# KiCad board ts52k.kicad_pcb (continued)
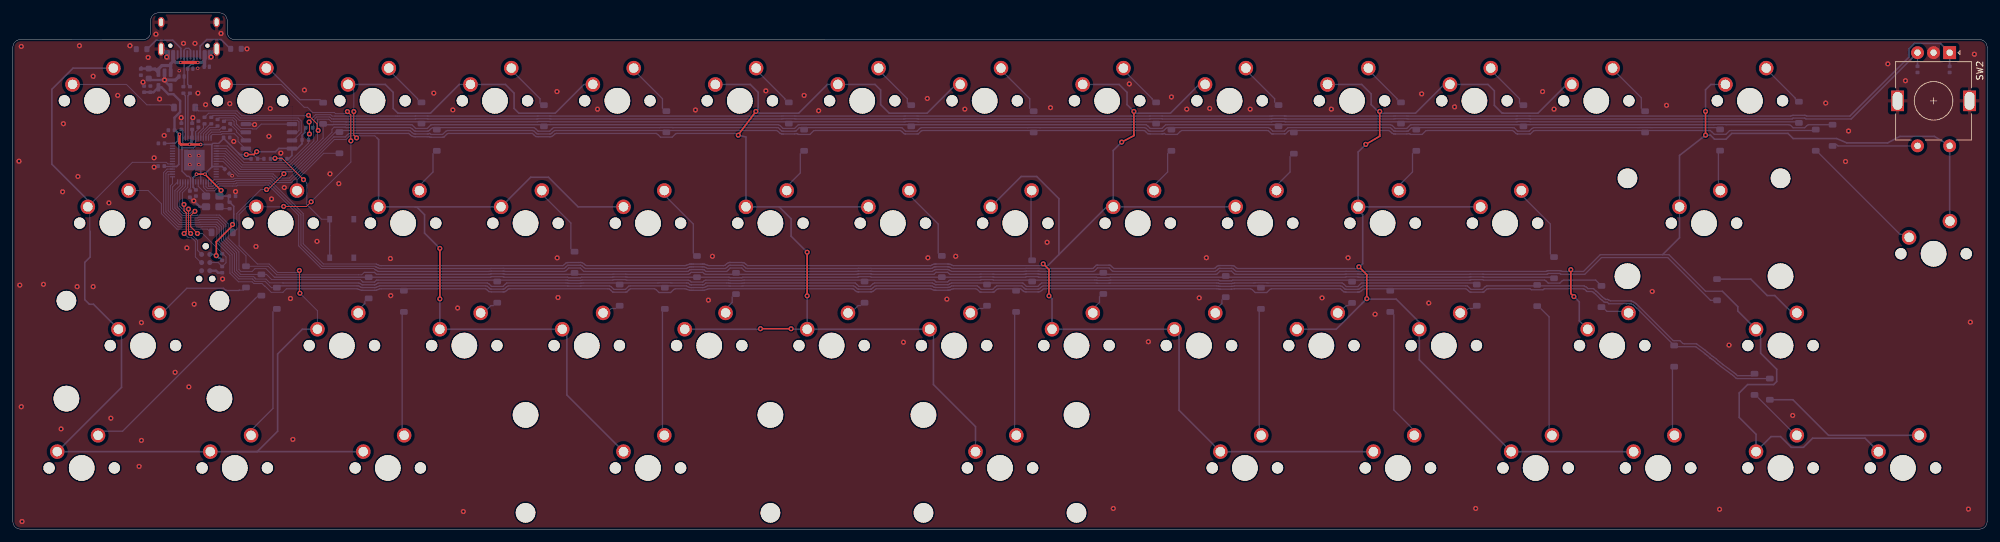
[diagram p0: board, top side]
## Routing (per net, layer and track width the routed paths; a pad name or vN(x,y) marks a point on that pad's centre or on a via; arc(x,y) is an arc through that point) (continued)
/rp2040/QSPI_SCLK: length 16.7
  Bottom w0.15: U4.6 44.24,61.77 44.52,62.05 44.52,63.39 44.27,63.64 35.22,63.64 34.5,64.37 31.14,64.37 R9.1
/rp2040/QSPI_SD0: length 13
  Bottom w0.15: R10.1 32.1,64.02 34.34,64.02 34.77,63.59 34.77,63.07 34.87,62.97 35.47,62.37 37.24,62.37 37.32,62.29 37.89,62.29 38.64,63.04 U4.5
/rp2040/QSPI_SD1: length 3.8
  Bottom w0.15: U4.2 36.14,60.5 34.81,61.83 34.81,62.03 34,62.84 33.9,62.84 33.82,62.92 R11.1
/rp2040/QSPI_SD2: length 4.6
  Bottom w0.15: 32.84,63.41 33.11,63.68 34.19,63.68 34.42,63.44 34.42,62.92 35.57,61.77 U4.3
/rp2040/QSPI_SD3: length 19.6
  Bottom w0.15: R13.1 30.46,64.74 34.65,64.74 35.4,63.99 44.41,63.99 44.87,63.53 44.87,61.74 43.63,60.5 U4.7
col1: length 242.9
  Top w0.15: v1(44.67,36.71) 44.57,36.81 v1(44.57,40.26) ; v1(46.41,50.95) 45.69,50.23 v1(42.13,50.23) ; v1(52.59,60.44) 52.59,64.45 v1(52.05,64.99)
  Bottom w0.15: v1(44.57,40.26) 44.25,39.94 41.19,39.94 39.86,41.27 38.04,41.27 35.2,44.11 35.2,48.99 36.46,50.24 37.78,50.24 MX8.1 42.07,50.17 v1(42.13,50.23) ; MX13.1 47.39,34 v1(44.67,36.71) ; MX3.1 18.6,57.09 23.87,57.09 24.12,56.84 U5.34 ; v1(46.41,50.95) 52.59,57.14 v1(52.59,60.44) ; 32.67,69.22 MX7.1 41.77,69.22 45.33,65.66 45.85,65.66 46.65,64.85 46.65,64.86 50.02,64.86 50.21,64.67 51.73,64.67 v1(52.05,64.99) ; 11.97,49.09 11.97,46.49
  Bottom w0.25: 16.91,30.64 16.91,22.07 MX5.1 MX9.1 34.93,12.07 ; MX4.1 12.54,35 11.91,35 11.19,35.72 11.19,41.52 12.03,42.35 12.03,46.38 ; MX13.1 45.05,31.12 41.2,27.27 41.2,15.24 38.02,12.07 34.93,12.07 ; 34.93,12.07 MX14.1 ; MX3.1 11.67,51.2 6.07,56.79 6.07,68.46 9.37,71.76 15.64,71.76
col2: length 202.3
  Top w0.15: v1(53.05,64.99) 53.05,61.33 v1(53.48,60.89)
  Top w0.25: v1(66.44,35.84) v1(66.44,43.7)
  Bottom w0.15: MX11.1 53.05,68.31 v1(53.05,64.99) ; 56.67,60.87 56.32,61.22 52.46,61.22 52.34,61.14 51.85,60.64 50.02,60.64 43.32,53.94 40.86,53.94 40.21,54.59 34.48,54.59 34.34,54.45 31.38,54.45 31.12,54.19 30.99,54.19 U5.15
  Bottom w0.25: MX11.1 57.94,69.22 59.17,67.98 59.17,65.48 59.91,64.74 64.98,64.74 69.45,69.22 MX16.1 76.64,69.22 77.99,67.87 77.99,65.48 78.73,64.74 84.39,64.74 88.86,69.22 MX20.1 ; v1(66.44,43.7) 64.06,46.08 64.06,48.93 62.83,50.17 62.59,50.17 ; 56.67,60.87 56.91,60.63 MX12.1 62.59,50.17 ; MX23.1 86.2,20.88 86.2,30.4 85.49,31.12 MX18.1 66.44,35.84 v1(66.44,35.84) ; 62.59,50.17 MX17.1 80.57,54.77 83.34,54.77 87.95,50.17 MX21.1
col3: length 251
  Top w0.25: v1(123.59,36.31) v1(123.59,43.1) ; v1(116.32,31.19) v1(121.09,31.19) ; v1(115.61,65.02) 112.87,61.38 v1(112.87,61.32)
  Bottom w0.15: 49.97,61.05 49.93,61.05 43.17,54.29 41,54.29 40.35,54.94 35,54.94 32.7,57.24 U5.8
  Bottom w0.2: v1(112.87,61.32) 112.6,61.59 112.35,61.59 103.35,61.59 103.1,61.52 102.58,61.01 100.77,61.01 100.35,61.43 100.1,61.59 84.6,61.59 84.35,61.53 84.1,61.28 83.85,61.12 83.73,61.09 83.6,61.08 83.53,61.08 81.72,61.08 81.53,61.1 81.35,61.11 81.1,61.34 80.85,61.59 80.6,61.59 67.85,61.59 67.6,61.56 67.1,61.06 67.06,61.03 66.87,61 65.1,61 65.06,60.98 64.86,61.05 64.85,61.05 64.68,61.1 64.6,61.09 64.48,61.08 62.67,61.08 62.6,61.08 62.48,61.09 62.35,61.1 62.1,61.19 61.85,61.37 61.6,61.59 56.85,61.59 56.67,61.6 56.6,61.6 56.35,61.59 52.35,61.59 52.1,61.43 51.72,61.05 49.97,61.05
  Bottom w0.25: 146.73,69.22 142.25,64.74 136.35,64.74 135.02,66.08 135.02,68.34 134.14,69.22 MX29.1 126.74,69.22 122.27,64.74 116.11,64.74 115.84,65.02 v1(115.61,65.02) 115.97,65.38 115.97,67.98 114.74,69.22 MX25.1 ; MX35.1 MX31.1 ; MX31.1 v1(123.59,36.31) ; MX31.1 121.17,31.12 v1(121.09,31.19) ; 119.22,50.17 121.09,48.3 121.09,45.6 v1(123.59,43.1) ; 119.22,50.17 MX30.1 ; 119.22,50.17 114.06,50.17 ; v1(116.32,31.19) 116.25,31.12 MX27.1 ; MX60.1 149.78,15.95 143.23,22.5 143.23,30.36 ; MX26.1 114.06,61.03 v1(112.87,61.32)
col4: length 312.3
  Top w0.25: v1(160.32,41.29) 161.21,40.4 v1(161.21,36.31) ; v1(174.43,65.02) 174.43,61.25 v1(172.52,60.25)
  Bottom w0.15: U5.16 30.44,53.39 30.47,53.36 31.09,53.36 31.83,54.1 34.48,54.1 34.62,54.24 40.06,54.24 45.17,49.13 45.17,44.41 48.32,41.27 56.53,41.27 56.57,41.23
  Bottom w0.2: 56.57,41.23 56.82,41.14 57.07,41.02 57.32,41.01 85.57,41.01 85.82,41.19 86.07,41.44 86.29,41.5 86.32,41.48 86.49,41.5 88.07,41.5 88.3,41.51 88.32,41.52 88.49,41.5 88.57,41.47 88.82,41.33 89.07,41.08 89.32,41.01 104.57,41.01 104.82,41.08 105.32,41.27 105.34,41.25 105.54,41.27 105.57,41.26 105.82,41.26 105.84,41.26 107.07,41.26 107.32,41.26 107.35,41.27 107.54,41.25 107.57,41.26 108.07,41.07 108.32,41.01 110.57,41.01 110.82,41.07 111.07,41.32 111.32,41.47 111.41,41.48 111.57,41.54 111.61,41.5 113.42,41.5 113.57,41.48 113.61,41.49 113.82,41.43 114.07,41.21 114.32,41.01 142.82,41.01 143.07,41.16 143.32,41.26 143.44,41.26 143.57,41.27 143.64,41.27 145.45,41.27 145.57,41.26 145.64,41.25 145.82,41.23 146.07,41.12 146.32,41.01 161.03,41.01
  Bottom w0.25: MX34.1 156.88,54.89 159.31,54.89 162.76,51.44 162.76,42.74 ; 161.03,41.01 162.76,42.74 ; 162.76,42.74 170.18,50.17 MX38.1 ; 184.59,69.22 180.12,64.74 174.69,64.74 ; v1(174.43,65.02) 174.69,64.75 174.69,64.74 ; MX43.1 MX38.1 ; MX38.1 171.21,58.94 v1(172.52,60.25) ; 174.69,64.74 173.36,66.08 173.36,67.98 172.13,69.22 MX37.1 ; 160.05,41.01 v1(160.32,41.29) ; v1(161.21,36.31) 161.69,35.84 MX39.1 MX44.1 181.45,30.4 181.45,18.49 MX81.1 MX82.1
col5: length 356.4
  Top w0.25: v1(210.66,35.87) 210.66,39.61 v1(209.43,40.84) ; v1(212.67,65.02) 212.67,61.35 ; 212.67,61.35 212.67,61.16 v1(210.5,59.89) ; 212.67,61.35 212.65,61.32
  Bottom w0.15: 56.46,40.82 56.36,40.92 48.13,40.92 44.82,44.23 44.82,48.99 39.92,53.89 34.82,53.89 34.68,53.75 31.98,53.75 31.24,53.01 30.32,53.01 30.04,53.29 U5.17
  Bottom w0.2: 209.28,40.56 190.57,40.56 190.32,40.68 190.07,40.93 189.82,41.02 189.81,41.01 189.62,41.02 189.57,41.02 187.82,41.02 187.81,41.03 187.61,41 187.57,41.03 187.32,40.89 187.07,40.64 186.82,40.56 171.32,40.56 171.07,40.77 170.82,41.02 170.76,41.07 170.57,41.09 170.57,41.09 168.82,41.09 168.76,41.09 168.57,41.07 168.56,41.07 168.32,40.83 168.07,40.58 167.82,40.56 160.57,40.56 160.32,40.56 160.07,40.56 159.69,40.56 159.57,40.58 159.5,40.58 157.69,40.58 157.57,40.57 157.49,40.56 146.32,40.56 146.07,40.59 145.82,40.76 145.64,40.82 145.57,40.83 145.45,40.84 143.64,40.84 143.57,40.84 143.44,40.83 143.32,40.8 143.07,40.62 142.82,40.56 133.62,40.56 133.57,40.57 133.42,40.58 131.61,40.58 131.57,40.58 131.42,40.56 114.32,40.56 114.07,40.61 113.82,40.86 113.61,41.04 113.57,41.05 113.42,41.07 111.61,41.07 111.57,41.08 111.41,41.02 111.32,40.96 111.07,40.71 110.82,40.56 108.07,40.56 107.82,40.71 107.54,40.82 107.35,40.84 107.32,40.83 107.07,40.83 105.84,40.83 105.82,40.83 105.57,40.83 105.54,40.84 105.34,40.82 105.32,40.81 105.07,40.72 104.82,40.56 89.07,40.56 88.82,40.72 88.57,40.97 88.49,41.02 88.32,41.09 88.3,41.07 86.49,41.07 86.32,41.05 86.29,41.05 86.07,40.83 85.82,40.58 85.57,40.56 76.47,40.56 76.32,40.58 76.27,40.58 74.46,40.58 74.32,40.57 74.27,40.56 57.07,40.56 56.82,40.66 56.57,40.78 56.46,40.82
  Bottom w0.25: MX48.1 205.9,31.12 209.91,35.12 ; MX56.1 MX47.1 209.31,58.7 v1(210.5,59.89) ; MX51.1 229.51,69.22 230.51,68.22 230.51,65.96 231.7,64.77 231.82,64.77 231.84,64.74 237.29,64.74 241.76,69.22 ; MX52.1 218.84,32.2 215.24,35.8 210.74,35.8 v1(210.66,35.87) 209.91,35.12 ; 209.28,40.56 210.03,41.31 210.03,48.93 209.31,49.65 ; MX46.1 209.87,69.22 211.34,67.75 211.34,66.08 212.67,64.74 ; 212.67,64.74 v1(212.67,65.02) ; 212.67,64.74 218.24,64.74 222.71,69.22 ; 209.91,35.12 210.58,35.8 ; 218.84,30.94 218.84,26.35 MX58.1 MX61.1 ; 209.16,40.56 v1(209.43,40.84)
col6: length 402.3
  Top w0.25: v1(242.4,40.39) 242.4,36.68 v1(242.89,36.2) ; v1(263.37,65.02) v1(263.37,61.32)
  Bottom w0.15: U5.18 29.64,53.37 29.69,53.32 29.69,53.15 30.18,52.66 31.38,52.66 32.12,53.4 34.83,53.4 34.97,53.54 39.77,53.54 44.47,48.84 44.47,44.09 47.99,40.57 56.15,40.57 56.32,40.4
  Bottom w0.2: 56.32,40.4 56.46,40.35 56.57,40.27 56.82,40.11 74.07,40.11 74.27,40.13 74.46,40.15 76.27,40.15 76.32,40.15 76.47,40.13 76.57,40.11 85.82,40.11 86.07,40.23 86.49,40.64 88.3,40.64 88.82,40.12 89.07,40.11 104.82,40.11 105.07,40.12 105.32,40.36 105.34,40.36 105.54,40.41 105.57,40.4 107.32,40.4 107.35,40.41 107.54,40.36 107.57,40.35 107.82,40.11 111.07,40.11 111.32,40.35 111.61,40.64 113.42,40.64 113.82,40.24 114.07,40.11 131.07,40.11 131.32,40.12 131.42,40.13 131.57,40.15 131.61,40.15 133.42,40.15 133.62,40.13 133.82,40.11 143.07,40.11 143.32,40.28 143.44,40.36 143.57,40.41 143.64,40.41 145.45,40.41 145.57,40.4 145.64,40.36 145.82,40.23 146.07,40.11 157.32,40.11 157.49,40.13 157.69,40.15 159.5,40.15 159.57,40.15 159.69,40.13 159.82,40.11 168.07,40.11 168.32,40.22 168.76,40.66 170.57,40.66 171.07,40.16 171.32,40.11 187.07,40.11 187.32,40.28 187.57,40.53 187.61,40.56 187.81,40.6 187.82,40.59 189.57,40.59 189.62,40.59 189.81,40.57 189.82,40.57 190.07,40.32 190.32,40.11 207.32,40.11 207.46,40.12 209.27,40.12 209.28,40.12 209.32,40.11 209.47,40.11 209.57,40.11 238.57,40.11 238.69,40.18 238.82,40.23 238.89,40.23 240.7,40.23 240.82,40.22 240.89,40.18 241.07,40.11 244.39,40.11 246.99,42.72 257.68,42.72 263.37,37.03 265.99,37.03
  Bottom w0.25: MX75.1 243.72,32.42 243.72,35.36 v1(242.89,36.2) ; v1(263.37,65.02) 263.37,68.39 264.2,69.22 MX64.1 ; 301.35,47.98 SW2.S2 298.98,61.13 293.61,61.13 291.69,60.12 285.35,60.12 283.76,60.8 276.99,60.8 276.2,61.59 267.45,61.59 266.55,60.7 264.75,60.7 264.13,61.32 v1(263.37,61.32) 259.32,58.17 MX65.1 259.32,45.36 256.68,42.72 ; 265.99,37.03 268.39,34.63 268.39,33.95 MX66.1 271.94,30.4 271.94,27.38 274.44,24.88 274.44,22.98 273.96,22.5 269.92,22.5 268.61,21.19 268.61,17.38 271.22,14.76 MX67.1 273.57,14.41 275.04,14.41 276.7,12.74 278.61,12.74 280.02,14.16 288.18,14.16 MX71.1 ; 242.4,40.11 v1(242.4,40.39)
D+: length 8.7
  Bottom w0.2: 27.2,71.67 27.2,71.51 27.2,71.69 ; R8.1 27.2,69.22 D90.1 ; J1.A6 27.14,72.84 27.2,72.79 27.88,72.79 28.14,73.05 J1.B6 28.14,72.42 28.05,72.32 27.7,72.32 27.27,71.9 27.27,71.85
D-: length 7.7
  Bottom w0.2: 26.63,70.61 26.64,70.62 J1.B7 26.64,74.57 26.91,74.84 27.38,74.84 27.64,74.57 J1.A7 ; 26.63,68.87 26.53,68.77 ; R7.1 26.65,68.99 D89.1
QSPI_SS_N: length 10.8
  Bottom w0.15: R14.1 R2.2 36.49,59.23 U4.1 36.16,59.23 35.22,60.17 35.22,60.2 35.05,60.37 35.05,60.97 34.48,61.54 32.55,61.54 32.45,61.44 31.07,61.44 30.84,61.21 U5.56 ; 35.55,59.24 35.64,59.24
row1: length 274.9
  Top w0.15: v1(46,64.41) 47.34,63.07 47.34,62.23 v1(47.51,62.06)
  Bottom w0.15: D2.1 28.9,65.09 34.87,65.09 35.62,64.34 45.27,64.34 45.93,64.34 v1(46,64.41) ; U5.4 33.08,58.84 35.58,56.34 43.24,56.34 47.4,60.5 47.4,63.81 49.15,63.81 49.54,63.41 49.91,63.41 ; 28.17,65.64 28.42,65.39
  Bottom w0.2: D63.1 277.85,63.27 277.6,63.39 236.1,63.39 235.94,63.44 234.13,63.44 234.1,63.42 233.93,63.39 216.35,63.39 216.1,63.24 D46.1 215.85,63.25 215.6,63.39 198.03,63.39 197.85,63.44 197.84,63.46 196.03,63.46 195.85,63.39 178.35,63.39 178.1,63.34 D37.1 177.85,63.15 177.6,63.39 140.85,63.39 140.68,63.44 138.87,63.44 138.85,63.42 138.68,63.39 121.1,63.39 120.85,63.24 D25.1 120.6,63.25 120.35,63.39 83.6,63.39 83.53,63.44 81.72,63.44 81.6,63.39 64.1,63.39 63.85,63.39 D11.1 63.35,63.35 63.1,63.39 51.92,63.39 51.85,63.4 51.72,63.41 49.91,63.41
row2: length 257.2
  Top w0.15: v1(39.47,52.87) 39.72,52.87 v1(42.17,55.32)
  Bottom w0.15: 43.53,55.64 49.65,61.76 49.65,62.24 49.97,62.55 ; 43.53,55.64 35.29,55.64 32.89,58.04 U5.6 ; 43.53,55.64 42.5,55.64 v1(42.17,55.32) ; v1(39.47,52.87) 38.59,52.87 34.85,49.13 34.85,46.67 34.22,46.04
  Bottom w0.2: D64.1 265.35,62.49 265.1,62.49 255.06,62.49 254.87,62.5 253.06,62.5 252.86,62.49 236.6,62.49 236.35,62.35 235.94,61.94 234.13,61.94 233.6,62.46 233.35,62.49 218.85,62.49 218.6,62.43 D47.1 218.1,62.45 217.85,62.49 217.76,62.49 217.6,62.48 217.1,61.98 217.08,61.96 216.89,61.94 215.1,61.94 215.08,61.93 214.88,61.97 214.85,61.98 214.6,62.23 214.35,62.48 214.1,62.49 198.41,62.49 198.35,62.47 197.84,61.95 196.03,61.95 195.6,62.38 195.35,62.49 180.6,62.49 180.35,62.28 D38.1 180.1,62.35 179.85,62.49 179.6,62.49 179.36,62.33 179.1,62.07 178.98,61.98 178.85,61.94 178.79,61.94 176.98,61.94 176.78,61.96 176.6,62.13 176.35,62.38 176.1,62.49 159.85,62.49 159.74,62.5 157.93,62.5 157.85,62.49 141.35,62.49 141.1,62.35 140.68,61.94 138.87,61.94 138.35,62.46 138.1,62.49 123.6,62.49 123.35,62.43 D26.1 122.85,62.45 122.6,62.49 122.51,62.49 122.35,62.48 121.85,61.98 121.83,61.96 121.63,61.94 119.85,61.94 119.82,61.93 119.63,61.97 119.6,61.98 119.35,62.23 119.1,62.48 118.85,62.49 102.78,62.49 102.6,62.5 102.58,62.51 100.77,62.51 100.6,62.49 84.1,62.49 83.85,62.25 83.53,61.94 81.72,61.94 81.35,62.31 81.1,62.49 66.35,62.49 66.1,62.33 D12.1 65.85,62.3 65.6,62.49 65.35,62.49 65.1,62.36 64.85,62.11 64.68,61.98 64.6,61.95 64.48,61.94 62.67,61.94 62.6,61.94 62.48,61.98 62.35,62.08 62.1,62.33 61.85,62.49 51.85,62.49 51.72,62.55 49.97,62.55
row3: length 256.9
  Bottom w0.15: U5.27 26.04,53.51 25.21,52.68 25.21,50 26.42,48.79 28.6,48.79 28.69,48.88 32.16,48.88 33.5,47.54 33.5,45.32 36.27,42.54 D4.1 39.72,40.92 41.05,39.59 54.29,39.59 54.67,39.97
  Bottom w0.2: 35.84,40.92 36.07,40.68 ; 54.67,39.97 56.27,39.97 56.57,39.67 56.82,39.66 74.07,39.66 74.27,39.68 74.32,39.71 74.46,39.72 76.27,39.72 76.32,39.72 76.47,39.7 76.57,39.66 87.07,39.66 87.32,39.82 D17.1 87.57,39.71 87.82,39.66 93.32,39.66 93.51,39.68 95.32,39.68 95.52,39.66 105.07,39.66 105.32,39.75 105.54,39.97 107.35,39.97 107.57,39.74 107.82,39.66 112.07,39.66 112.32,39.7 D27.1 112.57,39.83 112.82,39.66 131.32,39.66 131.42,39.7 131.57,39.72 131.61,39.72 133.42,39.72 133.57,39.71 133.62,39.68 133.82,39.66 143.32,39.66 143.64,39.98 145.45,39.98 145.64,39.79 145.82,39.66 150.47,39.66 150.57,39.68 150.66,39.68 152.47,39.68 152.57,39.67 152.67,39.66 157.32,39.66 157.49,39.68 157.57,39.71 157.69,39.72 159.5,39.72 159.57,39.72 159.69,39.69 159.82,39.66 169.32,39.66 169.57,39.81 D39.1 169.82,39.75 170.07,39.66 187.07,39.66 187.32,39.67 187.81,40.16 189.62,40.16 190.07,39.71 190.32,39.66 207.27,39.66 207.32,39.68 207.46,39.69 209.27,39.69 209.28,39.69 209.32,39.68 209.47,39.68 209.57,39.66 226.67,39.66 226.82,39.68 228.67,39.68 228.82,39.67 228.87,39.66 238.69,39.66 238.82,39.73 238.89,39.8 240.7,39.8 240.82,39.68 240.89,39.66 242.07,39.66 242.32,39.66 242.57,39.66 244.57,39.66 247.17,42.27 257.49,42.27 264.14,35.62 D65.1
row4: length 237.7
  Bottom w0.15: 34.82,43 32.8,45.03 32.8,47.25 31.87,48.18 28.98,48.18 28.89,48.09 26.12,48.09 24.51,49.7 24.51,53.44 24.84,53.77 U5.29 ; 54.26,38.66 54.08,38.84 40.27,38.84 39.46,39.65 D5.1 35.45,39.65 34.82,40.27 34.82,42.99
  Bottom w0.2: D88.1 246.27,38.76 241.32,38.76 241.07,38.67 240.7,38.29 238.89,38.29 238.57,38.61 238.32,38.76 228.82,38.76 228.67,38.82 226.86,38.82 226.82,38.78 226.67,38.76 208.82,38.76 208.57,38.72 D48.1 208.32,38.56 208.07,38.76 189.81,38.76 189.62,38.66 187.81,38.66 187.61,38.76 170.82,38.76 170.76,38.75 170.57,38.73 170.57,38.72 168.76,38.72 168.57,38.75 168.56,38.75 168.32,38.76 158.82,38.76 D34.1 158.57,38.56 158.32,38.76 152.57,38.76 152.47,38.82 150.66,38.82 150.57,38.76 145.82,38.76 145.64,38.67 145.45,38.47 143.64,38.47 143.44,38.67 143.32,38.76 132.82,38.76 132.57,38.6 D31.1 132.32,38.74 132.07,38.76 113.82,38.76 113.61,38.75 113.57,38.72 113.42,38.7 111.61,38.7 111.57,38.71 111.41,38.73 111.32,38.76 107.82,38.76 107.57,38.69 107.35,38.46 105.54,38.46 105.32,38.68 105.07,38.76 95.52,38.76 95.32,38.82 93.51,38.82 93.32,38.76 88.57,38.76 88.49,38.72 88.32,38.71 88.3,38.7 86.49,38.7 86.32,38.72 86.29,38.75 86.07,38.76 75.82,38.76 75.57,38.75 D18.1 75.32,38.59 75.07,38.76 56.82,38.76 56.57,38.76 56.27,38.46 54.46,38.46 54.26,38.66
row5: length 271.9
  Bottom w0.15: D9.1 40.24,37.58 39.25,38.57 37.65,38.57 37.32,38.9 37.32,38.95 35.16,38.95 34.12,39.98 34.12,42.71 32.1,44.74 32.1,46.69 ; U5.31 24.09,55.64 23.81,55.36 23.81,49.4 25.82,47.39 29.18,47.39 29.23,47.44 31.62,47.44 32.1,46.96 32.1,46.59
  Bottom w0.2: 40.57,37.86 40.82,37.84 D9.1 41.32,37.83 41.57,37.86 53.57,37.86 53.82,37.86 54.07,37.69 54.26,37.61 54.32,37.62 54.46,37.6 56.27,37.6 56.32,37.6 56.46,37.61 56.57,37.65 56.82,37.77 57.07,37.86 73.57,37.86 73.82,37.82 74.07,37.57 74.27,37.38 74.46,37.36 76.27,37.36 76.32,37.35 76.47,37.4 76.57,37.48 76.82,37.73 77.07,37.86 86.29,37.86 86.32,37.86 86.49,37.84 88.3,37.84 88.32,37.85 88.49,37.86 92.82,37.86 93.07,37.76 93.51,37.32 95.32,37.32 95.82,37.82 96.07,37.86 101.07,37.86 101.32,37.7 D23.1 101.57,37.71 101.82,37.86 104.82,37.86 105.07,37.71 105.32,37.62 105.34,37.61 105.54,37.59 105.57,37.6 105.82,37.6 105.84,37.6 107.07,37.6 107.32,37.6 107.35,37.59 107.54,37.61 107.82,37.72 108.07,37.86 111.41,37.86 111.57,37.85 111.61,37.84 113.42,37.84 113.57,37.86 113.61,37.86 130.82,37.86 131.07,37.72 131.32,37.47 131.42,37.4 131.57,37.35 131.61,37.36 133.42,37.36 133.57,37.38 133.62,37.4 133.82,37.56 134.07,37.81 134.32,37.86 142.82,37.86 143.07,37.83 143.32,37.66 143.44,37.63 143.57,37.61 143.64,37.61 145.45,37.61 145.57,37.63 145.64,37.63 145.82,37.7 146.07,37.86 146.32,37.86 150.07,37.86 150.32,37.66 150.66,37.32 152.47,37.32 152.82,37.67 153.07,37.86 157,37.86 157.32,37.54 157.49,37.39 157.57,37.37 157.69,37.36 159.5,37.36 159.57,37.36 159.69,37.4 159.82,37.5 160.07,37.75 160.32,37.86 187.32,37.86 187.57,37.82 187.61,37.82 187.81,37.79 187.82,37.8 189.57,37.8 189.62,37.79 189.82,37.82 190.07,37.86 193.82,37.86 194.07,37.7 D49.1 194.32,37.71 194.57,37.86 206.57,37.86 206.82,37.79 207.07,37.54 207.27,37.35 207.32,37.35 207.46,37.33 209.27,37.33 209.28,37.33 209.32,37.32 209.47,37.37 209.57,37.45 209.82,37.7 210.07,37.86 226.07,37.86 226.32,37.86 226.86,37.32 228.67,37.32 229.07,37.72 229.32,37.86 236.82,37.86 237.07,37.91 D58.1 237.32,37.86 244.49,37.86 244.57,37.78 244.82,37.68 244.91,37.59 245.07,37.44 245.93,37.44 246.07,37.3 246.27,37.11 246.32,37.06 246.57,36.87 247.17,36.27 247.32,36.13 247.57,35.95 247.77,35.79 247.82,35.74 247.84,35.74 248.07,35.76 248.08,35.77 248.27,35.7 248.32,35.65 248.57,35.53 251.8,35.53 251.82,35.51 252.07,35.42 252.32,35.27 252.57,35.1 258.32,29.35 258.49,29.33 259.39,29.33 259.82,28.9 260.07,28.85 261.96,28.85 262.07,28.76 263.32,27.84 263.37,27.81 263.57,27.61 264.05,27.26 264.32,26.99 264.55,26.85 264.57,26.84 265.07,26.47 265.32,26.22 265.57,26.03 265.99,25.68 266.06,25.62 266.07,25.61 267.82,24.32 268.07,24.14 268.32,23.89 270.57,23.89 270.82,24.03 D66.1
row6: length 259.9
  Bottom w0.15: U5.5 32.98,58.44 35.43,55.99 43.39,55.99 48.28,60.88 D7.1
  Bottom w0.2: D68.1 279.35,62.94 279.1,62.78 278.8,62.47 276.99,62.47 276.6,62.86 276.35,62.94 266.6,62.94 266.53,62.96 264.72,62.96 264.6,62.94 235.35,62.94 235.1,62.76 D51.1 234.85,62.87 234.6,62.94 217.6,62.94 217.46,62.94 216.89,62.37 215.08,62.37 214.6,62.84 214.35,62.94 197.35,62.94 197.1,62.88 D42.1 196.85,62.78 196.6,62.94 179.6,62.94 179.36,62.94 178.79,62.37 176.98,62.37 176.6,62.74 176.35,62.94 140.1,62.94 139.85,62.76 D29.1 139.6,62.87 139.35,62.94 122.35,62.94 122.21,62.94 121.63,62.37 119.82,62.37 119.35,62.84 119.1,62.94 83.1,62.94 82.85,62.91 D16.1 82.6,62.72 82.35,62.94 65.1,62.94 65.06,62.94 64.48,62.37 62.67,62.37 62.1,62.94 61.85,62.94 51.92,62.94 51.85,62.97 51.72,62.98 49.91,62.98 49.85,62.98 49.72,62.94 48.6,62.94 48.35,63.01 D7.1 48.1,62.94
row7: length 258.6
  Bottom w0.15: D8.1 50.18,61.8 43.03,54.64 41.15,54.64 40.5,55.29 35.14,55.29 32.79,57.64 U5.7
  Bottom w0.2: D87.1 280.35,62.04 267.35,62.04 267.1,62.02 266.53,61.46 264.72,61.46 264.35,61.83 264.1,62.04 263.6,62.04 263.35,62.05 263.1,62.04 254.35,62.04 254.1,61.89 D55.1 253.85,61.86 253.6,62.04 236.85,62.04 236.6,62 236.13,61.52 236.1,61.53 235.94,61.51 234.13,61.51 234.1,61.49 233.93,61.55 233.85,61.6 233.6,61.85 233.35,62.04 220.1,62.04 219.85,62.02 219.27,61.43 217.46,61.43 217.35,61.54 217.26,61.55 216.89,61.51 215.1,61.51 215.08,61.48 214.88,61.53 214.85,61.51 214.6,61.63 214.35,61.88 214.1,62.04 199.85,62.04 199.6,62.03 D43.1 199.1,61.95 198.85,62.04 198.6,62.04 198.41,61.91 198.03,61.54 197.85,61.53 197.84,61.52 196.1,61.52 196.03,61.5 195.85,61.56 195.83,61.54 195.35,62.02 195.1,62.04 181.85,62.04 181.6,61.87 181.17,61.43 179.36,61.43 179.35,61.44 179.16,61.6 179.1,61.57 178.98,61.52 178.85,61.51 178.79,61.51 176.98,61.51 176.78,61.53 176.6,61.54 176.35,61.77 176.1,62.02 175.85,62.04 159.35,62.04 159.1,62.02 D33.1 158.6,61.98 158.35,62.04 141.6,62.04 141.35,62 140.88,61.52 140.85,61.53 140.68,61.51 138.87,61.51 138.85,61.49 138.68,61.55 138.6,61.6 138.35,61.85 138.1,62.04 124.85,62.04 124.6,62.02 124.02,61.43 122.21,61.43 122.1,61.54 122.01,61.55 121.63,61.51 119.85,61.51 119.82,61.48 119.63,61.53 119.6,61.51 119.35,61.63 119.1,61.88 118.85,62.04 113.1,62.04 112.87,62.05 112.85,62.05 112.6,62.04 102.1,62.04 101.85,61.93 D20.1 101.6,61.84 101.35,62.04 84.35,62.04 84.1,61.89 83.85,61.64 83.73,61.55 83.6,61.51 83.53,61.51 81.72,61.51 81.53,61.53 81.35,61.7 81.1,61.95 80.85,62.04 67.6,62.04 67.35,61.92 66.87,61.43 65.06,61.43 64.86,61.6 64.85,61.59 64.68,61.53 64.6,61.52 64.48,61.51 62.67,61.51 62.6,61.51 62.48,61.52 62.35,61.56 62.1,61.72 61.85,61.97 61.6,62.04 51.1,62.04 50.85,61.84 D8.1 50.6,62.02 50.35,62.04
row8: length 227.7
  Bottom w0.15: 40.7,39.21 39.37,40.54 37.67,40.54 37.24,40.12 35.47,40.12 35.17,40.42 35.17,43.15 33.15,45.17 33.15,47.4 32.01,48.53 28.84,48.53 28.75,48.44 26.28,48.44 24.86,49.86 24.86,53.26 U5.28
  Bottom w0.2: 40.7,39.21 74.32,39.21 74.46,39.29 76.27,39.29 76.32,39.24 76.47,39.21 86.32,39.21 86.49,39.13 88.3,39.13 88.32,39.16 88.49,39.21 93.07,39.21 93.32,39.23 93.32,39.23 93.51,39.25 95.32,39.25 95.52,39.23 95.57,39.21 111.41,39.21 111.57,39.17 111.61,39.13 113.42,39.13 113.57,39.21 131.42,39.21 131.57,39.25 131.61,39.29 133.42,39.29 133.57,39.21 144.32,39.21 D30.1 144.57,39.21 150.47,39.21 150.57,39.25 150.66,39.25 152.47,39.25 152.57,39.24 152.67,39.21 157.57,39.21 157.69,39.29 159.5,39.29 159.57,39.22 159.69,39.21 168.57,39.21 168.76,39.15 170.57,39.15 170.57,39.16 170.76,39.21 188.32,39.21 188.57,39.27 D44.1 188.82,39.3 189.07,39.21 207.32,39.21 207.46,39.26 209.27,39.26 209.32,39.22 209.47,39.21 226.57,39.21 226.67,39.23 226.82,39.25 226.86,39.25 228.67,39.25 228.82,39.24 228.87,39.21 239.57,39.21 D56.1
row9: length 220.2
  Bottom w0.15: 41.98,38.33 39.98,38.33 39.39,38.92 37.8,38.92 37.67,39.05 37.67,39.1 37.47,39.3 35.3,39.3 34.47,40.13 34.47,42.86 32.45,44.88 32.45,47.11 31.76,47.79 29.09,47.79 29.04,47.74 25.98,47.74 24.16,49.56 24.16,55.22 24.19,55.24 U5.30
  Bottom w0.2: D52.1 227.57,38.27 227.32,38.31 210.07,38.31 209.82,38.31 209.27,37.76 207.46,37.76 207.07,38.15 206.82,38.31 195.29,38.31 195.1,38.33 193.29,38.33 193.09,38.31 190.07,38.31 189.82,38.26 189.81,38.25 189.62,38.22 189.57,38.23 187.82,38.23 187.81,38.22 187.61,38.25 187.57,38.29 187.32,38.31 170.76,38.31 170.57,38.3 170.57,38.29 168.76,38.29 168.57,38.31 160.07,38.31 159.82,38.11 159.5,37.79 157.69,37.79 157.19,38.28 157.07,38.31 151.82,38.31 151.57,38.08 D35.1 151.32,38.31 146.07,38.31 145.82,38.22 145.64,38.09 145.57,38.06 145.45,38.04 143.64,38.04 143.57,38.04 143.44,38.09 143.32,38.18 143.07,38.31 134.07,38.31 133.82,38.19 133.42,37.79 131.61,37.79 131.32,38.08 131.07,38.31 113.82,38.31 113.61,38.3 113.42,38.27 111.61,38.27 111.57,38.28 111.41,38.29 111.32,38.31 111.07,38.31 107.82,38.31 107.57,38.08 107.54,38.07 107.35,38.02 107.32,38.03 105.57,38.03 105.54,38.02 105.34,38.07 105.32,38.07 105.07,38.31 104.82,38.31 102.54,38.31 102.35,38.33 100.54,38.33 100.34,38.31 94.82,38.31 94.57,38.23 D22.1 94.32,38.17 94.07,38.31 88.82,38.31 88.57,38.3 88.49,38.29 88.32,38.28 88.3,38.27 86.49,38.27 86.29,38.3 86.07,38.31 76.82,38.31 76.57,38.09 76.27,37.79 74.46,37.79 74.07,38.18 73.82,38.31 56.82,38.31 56.57,38.16 56.46,38.08 56.32,38.03 56.27,38.03 54.46,38.03 54.32,38.05 54.26,38.07 54.07,38.22 53.82,38.31 42.07,38.31 41.98,38.33
row10: length 275.8
  Bottom w0.15: U5.32 24,56.04 23.46,55.51 23.46,49.26 25.68,47.04 29.42,47.04 29.45,47.07 31.5,47.07 31.75,46.82 31.75,44.59 33.77,42.57 33.77,39.84 35.11,38.5 37.23,38.5 37.51,38.22 38.77,38.22 39.16,37.83 39.23,37.83 40.2,36.86 42.01,36.86 42.57,37.41
  Bottom w0.2: 42.57,37.41 53.57,37.41 53.82,37.32 54.26,37.16 54.32,37.19 54.46,37.17 56.27,37.17 56.32,37.17 56.57,37.2 56.82,37.29 57.07,37.41 57.32,37.41 60.32,37.41 60.57,37.38 D14.1 61.07,37.34 61.32,37.41 73.57,37.41 73.82,37.21 74.07,36.97 74.46,36.93 76.27,36.93 76.32,36.92 76.47,36.94 76.57,36.96 76.82,37.12 77.07,37.37 77.32,37.41 92.57,37.41 92.82,37.4 93.07,37.15 93.32,36.91 93.32,36.91 93.51,36.89 95.32,36.89 95.52,36.91 95.57,36.96 95.82,37.21 96.07,37.41 99.82,37.41 100.07,37.29 100.54,36.83 102.35,36.83 102.82,37.3 103.07,37.41 104.57,37.41 104.82,37.35 105.32,37.16 105.34,37.18 105.54,37.16 105.57,37.17 105.82,37.17 105.84,37.17 107.07,37.17 107.32,37.17 107.35,37.16 107.54,37.18 107.57,37.17 108.07,37.35 108.32,37.41 130.57,37.41 130.82,37.36 131.07,37.11 131.32,36.96 131.42,36.95 131.57,36.9 131.61,36.93 133.42,36.93 133.57,36.95 133.62,36.94 133.82,37.01 134.32,37.41 142.82,37.41 143.07,37.29 143.32,37.2 143.44,37.2 143.57,37.18 143.64,37.18 145.45,37.18 145.57,37.2 145.64,37.2 145.82,37.22 146.07,37.34 146.32,37.41 149.82,37.41 150.07,37.3 150.47,36.91 150.57,36.9 150.66,36.89 152.47,36.89 152.57,36.9 152.67,36.91 153.07,37.31 153.32,37.41 155.57,37.41 155.82,37.38 D40.1 156.32,37.34 156.57,37.41 156.82,37.41 157,37.25 157.19,37.08 157.32,36.98 157.49,36.95 157.57,36.94 157.69,36.93 159.5,36.93 159.57,36.93 159.69,36.95 159.82,36.98 160.07,37.14 160.32,37.39 160.57,37.41 187.32,37.41 187.57,37.39 187.81,37.36 187.82,37.37 189.57,37.37 189.62,37.36 190.07,37.41 192.57,37.41 192.82,37.29 193.29,36.83 195.1,36.83 195.57,37.3 195.82,37.41 206.57,37.41 206.82,37.18 207.07,36.95 207.27,36.92 207.32,36.92 207.46,36.9 209.27,36.9 209.28,36.9 209.32,36.89 209.47,36.91 209.57,36.93 209.82,37.09 210.07,37.34 210.32,37.41 213.82,37.41 214.07,37.35 D53.1 214.57,37.37 214.82,37.41 226.07,37.41 226.32,37.25 226.57,37 226.67,36.93 226.82,36.88 226.86,36.89 228.67,36.89 228.82,36.91 228.87,36.91 229.32,37.36 229.57,37.41 236.07,37.41 236.27,37.26 238.08,37.26 238.27,37.41 244.32,37.41 244.39,37.39 244.57,37.32 244.82,37.08 244.91,36.99 245.57,36.99 245.82,36.94 245.93,36.83 246.07,36.71 246.07,36.72 246.27,36.57 246.99,35.85 247.17,35.71 247.32,35.6 247.57,35.35 247.77,35.31 248.08,35.31 248.27,35.12 248.32,35.08 251.07,35.08 251.32,35.09 251.57,35.08 251.8,35.06 251.82,35.06 252.07,34.92 252.32,34.75 258.57,28.5 258.82,28.4 261.82,28.4 261.96,28.32 263.07,27.49 263.32,27.26 263.37,27.23 263.57,27.08 263.82,26.88 264.05,26.65 264.07,26.65 264.14,26.59 264.25,26.53 264.32,26.49 264.57,26.31 264.82,26.11 265.07,25.86 265.15,25.81 265.32,25.68 265.75,25.32 267.32,24.17 267.57,23.98 267.82,23.78 268.07,23.53 268.27,23.44 D70.1
